# Altium PCB xialeste.PcbDoc (part 10 of 10)
Units mm, origin at the board's own origin, x right, y up, seen from the top; angles counter-clockwise.
Board outline 203.2 x 171.45 mm, 6 copper layers (L1, L2, L3, L4 (PWR), L5, L6), stack 1.542 mm thick; 748 components, 618 nets, 3334 pads, 1535 vias.
Unrouted connection lines stored in the file: 160.
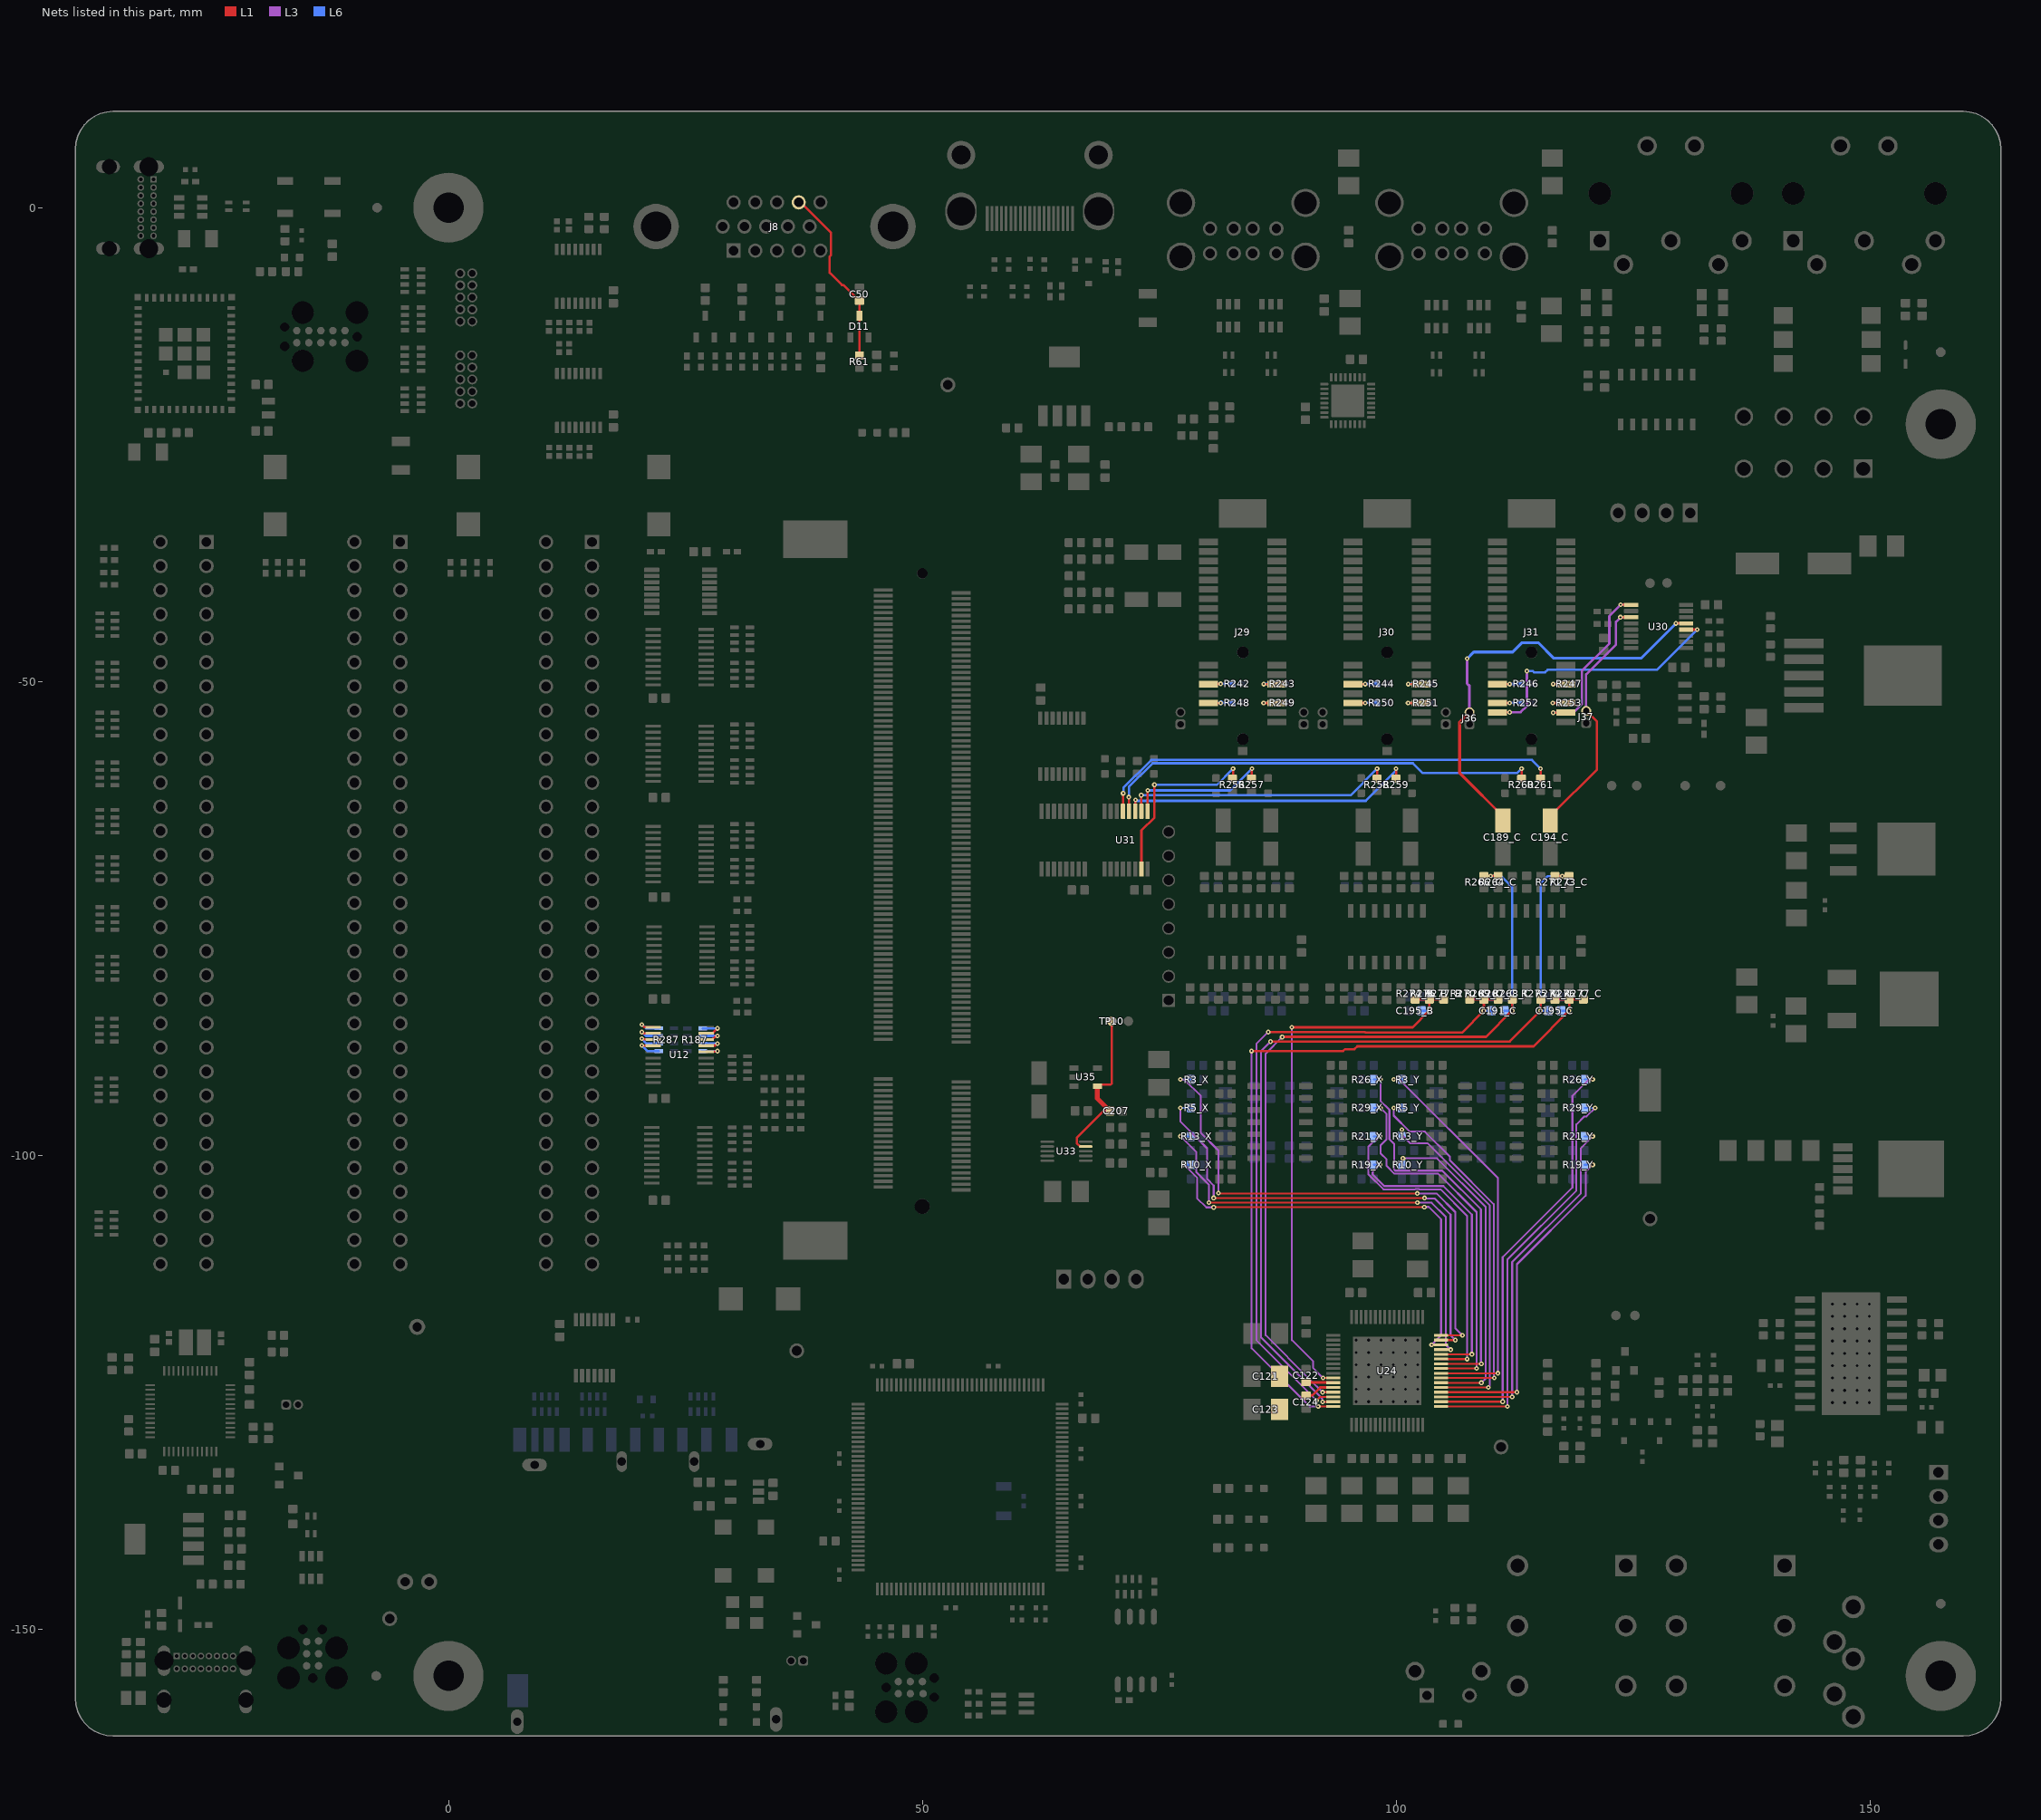
[diagram p14: the nets of this part, all layers, seen from the top]

## Via types
v1: diameter 0.5, hole 0.2, L1 to L6, tented both sides, 977 vias
v2: diameter 1, hole 0.5, L1 to L6, 416 vias
v3: diameter 0.6, hole 0.3, L1 to L6, 96 vias
v4: diameter 0.45, hole 0.25, L1 to L6, 26 vias
v5: diameter 0.5, hole 0.2, L1 to L6, 10 vias
v6: diameter 1, hole 0.5, L1 to L6, tented both sides, 10 vias

## Nets (pads, with @x,y where several pads share a name; then routed paths per layer and width w, separated by ;. In a path a pad name is that pad's centre, name@x,y a point inside that pad or via, vN(x,y) a via of type N, cw(c..) or ccw(c..) an arc to the next point about the centre after c; other vN are vias at no path point) (continued)
VIN4_P: C195_B.2 R274_B.2 R276_B.2 R277_B.2 U24.58 | length 59.7
  L1 w0.2: v1(92.3,-123.5) U24.58@93.36,-123.5
  L1 w0.25: v1(89,-86.5) 101.75,-86.5 v1(103.5,-84.75) 103.5,-83.589 R276_B.2@103.517,-83.572 ; R274_B.2@102.017,-83.572 R276_B.2@103.517,-83.572 ; R277_B.2@105.017,-83.572 R276_B.2@103.517,-83.572
  L3 w0.2: v1(89,-86.5) 89,-97.564 89.01,-97.574 89.01,-119.51 91.25,-121.75 91.25,-122.45 v1(92.3,-123.5)
  L6 w0.2: C195_B.2@102.675,-84.75 v1(103.5,-84.75)
VIN5: C189_C.2 J36.2 U30.13 | length 45.7
  L1 w0.3: J36.2@107.75,-53.25 106.7,-54.3 106.7,-59.655 111.6,-64.555 C189_C.2@111.6,-64.8 ; v1(129.525,-43.875) U30.13@130.6,-43.875
  L3 w0.3: v1(107.5,-47.6) 107.5,-50.233 107.75,-50.483 107.75,-53.15 J36.2@107.7,-53.2
  L6 w0.3: v1(107.5,-47.6) 108.2,-46.9 112.3,-46.9 113.295,-45.905 115.005,-45.905 116.65,-47.55 125.85,-47.55 v1(129.525,-43.875)
VIN5_N: C191_C.1 R264_C.2 R266_C.2 R268_C.1 U24.61 | length 86.6
  L1 w0.2: v1(92.251,-125.003) 92.252,-125.002 93.358,-125.002 U24.61@93.36,-125
  L1 w0.25: v5(87.975,-87.525) v5@88,-87.525 ; R266_C.2@109.267,-70.522 R264_C.2@110.767,-70.522 ; R268_C.1@112.267,-83.572 112.259,-83.58 112.259,-84.742 v1(112.25,-84.75) 109.5,-87.5 v5@88.025,-87.5 ; v5@88,-87.525 v5@88.025,-87.5 ; v5@88,-87.525 v5@88.025,-87.5
  L3 w0.2: v5(87.975,-87.525) 86.237,-89.263 86.237,-118.989 90.896,-123.649 v1(92.251,-125.003)
  L6 w0.25: v1(109.984,-70.529) 111.078,-70.529 112.25,-71.701 v1(112.25,-84.75) C191_C.1@111.425,-84.75
VIN5_P: C191_C.2 R267_C.2 R269_C.2 R270_C.2 U24.62 | length 72.8
  L1 w0.2: v1(91.61,-125.87) 91.983,-125.497 93.357,-125.497 U24.62@93.36,-125.5
  L1 w0.25: v1(86.5,-87) 96.734,-87 96.784,-87.05 106.95,-87.05 v1(109.25,-84.75) 109.259,-84.742 R269_C.2@109.259,-83.797 ; R270_C.2@107.767,-83.572 R269_C.2@109.267,-83.572 109.259,-83.58 R269_C.2@109.259,-83.797 ; R267_C.2@110.767,-83.572 109.483,-83.572 R269_C.2@109.259,-83.797
  L3 w0.2: v1(86.5,-87) 85.25,-88.25 85.25,-119.511 v1(91.61,-125.87)
  L6 w0.25: v1(109.25,-84.75) C191_C.2@110.075,-84.75
VIN6: C194_C.2 J37.2 U30.3 | length 25.9
  L1 w0.25: C194_C.2@116.5,-64.1 116.5,-63.989 121.2,-59.289 121.2,-54.255 J37.2@120.06,-53.115
  L1 w0.3: v1(123.675,-43.225) U30.3@124.8,-43.225
  L3 w0.25: J37.2@120.06,-53.115 120.06,-49.24 123.2,-46.1 123.2,-43.7 v1(123.675,-43.225)
VIN6_N: C195_C.1 R271_C.2 R273_C.2 R275_C.1 U24.63 | length 91.7
  L1 w0.2: v1(92.251,-126.014) 92.258,-126.007 93.353,-126.007 U24.63@93.36,-126
  L1 w0.25: v1(86.75,-88) 87.778,-88 112,-88 v1(115.25,-84.75) ; v1@115.258,-84.742 115.258,-83.58 R275_C.1@115.267,-83.572 ; R271_C.2@116.767,-70.522 116.78,-70.535 117.513,-70.535 v1(117.526,-70.548) 117.539,-70.535 118.254,-70.535 R273_C.2@118.267,-70.522
  L3 w0.2: v1(86.75,-88) 85.75,-89 85.75,-119.226 92.218,-125.694 92.218,-125.981 v1(92.251,-126.014)
  L6 w0.25: v1@115.258,-84.742 v1(115.25,-84.75) ; C195_C.1@116.075,-84.75 v1(115.25,-84.75) ; v1(117.526,-70.548) 115.99,-70.548 115.25,-71.289 v1(115.25,-84.75)
VIN6_P: C195_C.2 R274_C.2 R276_C.2 R277_C.2 U24.64 | length 82.8
  L1 w0.2: v1(91.784,-126.504) 91.786,-126.502 93.358,-126.502 U24.64@93.36,-126.5
  L1 w0.25: v1(84.75,-89) 94.422,-89 94.622,-88.8 95.605,-88.8 95.905,-88.5 114.5,-88.5 v1(118.25,-84.75) ; R274_C.2@116.767,-83.572 R276_C.2@118.267,-83.572 ; v1@118.258,-84.742 118.258,-83.58 R276_C.2@118.267,-83.572 ; R277_C.2@119.767,-83.572 R276_C.2@118.267,-83.572
  L3 w0.2: v1(84.75,-89) 84.75,-120.363 90.887,-126.5 91.78,-126.5 v1(91.784,-126.504)
  L6 w0.25: C195_C.2@117.425,-84.75 v1(118.25,-84.75) v1@118.258,-84.742
VO5_MUX: J31.B17 U30.12 | length 28.2
  L1 w0.25: J31.B17@110.7,-53.28 110.715,-53.265 111.985,-53.265 v1(112,-53.25) ; U30.12@130.6,-44.525 v1(131.775,-44.525)
  L3 w0.25: v1(112,-53.25) 113.15,-53.25 113.8,-52.6 v1(113.8,-48.9)
  L6 w0.25: v1(113.8,-48.9) 113.819,-48.919 114.425,-48.919 114.55,-49.044 115.732,-49.044 116.001,-48.775 127.525,-48.775 131.71,-44.59 v1@131.79,-44.59
VO6_MUX: J31.A17 U30.1 | length 18
  L1 w0.25: v1(116.575,-53.303) 116.586,-53.291 117.889,-53.291 J31.A17@117.9,-53.28
  L1 w0.3: v1(123.7,-41.9) 123.712,-41.912 124.788,-41.912 U30.1@124.8,-41.925
  L3 w0.25: v1(116.575,-53.303) 118.697,-53.303 119.6,-52.4 119.6,-48.9 122.5,-46 122.5,-43.1 v1(123.7,-41.9)
VO_L1: J29.B14 R242.1 | length 2.5
  L1 w0.25: J29.B14@80.22,-50.28 80.235,-50.265 81.485,-50.265 v1(81.5,-50.25)
  L6 w0.25: v1(81.5,-50.25) R242.1@82.675,-50.25
VO_L2: J29.A14 R243.1 | length 2.8
  L1 w0.25: v1(86.03,-50.28) J29.A14@87.42,-50.28
  L6 w0.25: v1(86.03,-50.28) 86.045,-50.265 87.41,-50.265 R243.1@87.425,-50.25
VO_L3: J30.B14 R244.1 | length 2.5
  L1 w0.25: J30.B14@95.46,-50.28 v1(96.75,-50.28)
  L6 w0.25: v1(96.75,-50.28) 96.765,-50.265 97.91,-50.265 R244.1@97.925,-50.25
VO_L4: J30.A14 R245.1 | length 2.7
  L1 w0.25: v1(101.28,-50.28) J30.A14@102.66,-50.28
  L6 w0.25: v1(101.28,-50.28) 101.295,-50.265 102.585,-50.265 R245.1@102.6,-50.25
VO_L5: J31.B14 R246.1 | length 2.5
  L1 w0.25: J31.B14@110.7,-50.28 v1(112,-50.28)
  L6 w0.25: v1(112,-50.28) 112.015,-50.265 113.16,-50.265 R246.1@113.175,-50.25
VO_L6: J31.A14 R247.1 | length 2.5
  L1 w0.25: v1(116.575,-50.28) J31.A14@117.9,-50.28
  L6 w0.25: v1@116.515,-50.265 117.66,-50.265 R247.1@117.675,-50.25
VO_R1: J29.B16 R248.1 | length 2.5
  L1 w0.25: J29.B16@80.22,-52.28 v1(81.5,-52.28)
  L6 w0.25: v1@81.53,-52.25 R248.1@82.675,-52.25
  L6 w0.5: v1(81.5,-52.28) v1@81.53,-52.25
VO_R2: J29.A16 R249.1 | length 2.8
  L1 w0.25: v1(86.015,-52.265) 86.023,-52.273 87.412,-52.273 J29.A16@87.42,-52.28
  L6 w0.25: v1(86.015,-52.265) 86.023,-52.258 87.418,-52.258 R249.1@87.425,-52.25
VO_R3: J30.B16 R250.1 | length 2.5
  L1 w0.25: J30.B16@95.46,-52.28 95.468,-52.273 96.727,-52.273 v1(96.735,-52.265)
  L6 w0.25: v1(96.735,-52.265) 96.743,-52.258 97.918,-52.258 R250.1@97.925,-52.25
VO_R4: J30.A16 R251.1 | length 2.5
  L1 w0.25: v1(101.265,-52.265) 101.273,-52.273 102.652,-52.273 J30.A16@102.66,-52.28
  L6 w0.25: v1@101.5,-52.25 R251.1@102.6,-52.25
VO_R5: J31.B16 R252.1 | length 2.5
  L1 w0.25: J31.B16@110.7,-52.28 110.708,-52.273 111.978,-52.273 v1(111.985,-52.265)
  L6 w0.25: v1(111.985,-52.265) 111.993,-52.258 113.167,-52.258 R252.1@113.175,-52.25
VO_R6: J31.A16 R253.1 | length 2.5
  L1 w0.25: v1(116.522,-52.273) 116.526,-52.276 117.896,-52.276 J31.A16@117.9,-52.28
  L6 w0.25: v1(116.522,-52.273) 116.534,-52.261 117.664,-52.261 R253.1@117.675,-52.25
VON1: R256.1 U31.15 | length 19.2
  L1 w0.25: U31.15@73.125,-69.8 73.125,-65.727 74.5,-64.352 v1(74.5,-60.9) ; R256.1@82.75,-60.255 82.8,-60.205 82.8,-59.5
  L6 w0.25: v1(74.5,-60.9) 81.1,-60.9 v1@82.759,-59.241
  other v1: 82.8,-59.2
VON2: R257.1 U31.1 | length 15.3
  L1 w0.25: U31.1@73.775,-63.7 73.788,-63.688 73.788,-61.512 v1(73.8,-61.5) ; R257.1@84.75,-60.255 84.775,-60.23 84.775,-59.225 v1(84.8,-59.2)
  L6 w0.25: v1(73.8,-61.5) 82.5,-61.5 v1@84.849,-59.151
VON3: R258.1 U31.2 | length 28.7
  L1 w0.25: v1(73.1,-62) 73.112,-62.012 73.112,-63.688 U31.2@73.125,-63.7 ; R258.1@98,-60.255 v1@98,-59.281
  L6 w0.25: v1(73.1,-62) 95.2,-62 v1(98,-59.2)
VON4: R259.1 U31.3 | length 30.9
  L1 w0.25: U31.3@72.475,-63.7 72.487,-63.687 72.487,-62.513 v1(72.5,-62.5) ; R259.1@100,-60.255 v1@100,-59.4
  L6 w0.25: v1(72.5,-62.5) 72.554,-62.5 72.654,-62.6 96.8,-62.6 v1@100,-59.4
  other v1: 100,-59.2
VON5: R260.1 U31.4 | length 47.2
  L1 w0.25: v1(71.8,-62.2) 71.813,-62.212 71.813,-63.687 U31.4@71.825,-63.7 ; v1@113.2,-59.2 113.25,-59.25 R260.1@113.25,-60.255 R260.1@113.25,-59.925
  L6 w0.25: v1(71.8,-62.2) 71.8,-61.128 74.303,-58.625 101.772,-58.625 102.822,-59.675 112.775,-59.675 v1(113.25,-59.2) v1@113.3,-59.2
VON6: R261.1 U31.5 | length 49
  L1 w0.25: U31.5@71.175,-63.7 71.188,-63.688 71.188,-61.812 v1(71.2,-61.8) ; R261.1@115.25,-60.255 v1@115.25,-59.45
  L6 w0.25: v1(71.2,-61.8) 71.233,-61.767 71.233,-61.2 74.158,-58.275 114.325,-58.275 v1(115.25,-59.2) v1@115.3,-59.2
VOUT1_N: R3_X.1 U24.32 | length 56.4
  L1 w0.2: v1(81.25,-104) 81.275,-104.025 v1(102.225,-104.025) ; U24.32@104.76,-119 v1(107,-119)
  L3 w0.2: v1(77.25,-92) 77.298,-92.048 77.698,-92.048 79.396,-93.746 79.396,-97.646 81.25,-99.5 v1(81.25,-104) ; v1(102.225,-104.025) 102.25,-104.05 104.3,-104.05 106.25,-106 106.25,-118.25 v1(107,-119)
  L6 w0.2: v1(77.25,-92) R3_X.1@78.35,-92
VOUT1_P: R5_X.1 U24.31 | length 52.7
  L1 w0.2: v1(80.75,-104.5) v1(103,-104.5) ; U24.31@104.76,-119.5 v1(106.25,-119.5)
  L3 w0.2: v1(77.25,-95) 77.25,-96.45 80.06,-99.26 80.06,-102.496 80.75,-103.186 v1(80.75,-104.5) ; v1(103,-104.5) 103.048,-104.548 104.048,-104.548 105.75,-106.25 105.75,-119 v1(106.25,-119.5)
  L6 w0.2: v1(77.25,-95) R5_X.1@78.35,-95
VOUT2_N: R10_X.1 U24.30 | length 46.2
  L1 w0.2: v1(80.75,-105.5) 80.775,-105.475 v1(102.975,-105.475) ; v1(103.75,-120) U24.30@104.76,-120
  L3 w0.2: v1(77.65,-101) 79,-102.35 79,-104.526 79.974,-105.5 v1(80.75,-105.5) ; v1(102.975,-105.475) 103,-105.45 103.45,-105.45 104.75,-106.75 104.75,-119 v1(103.75,-120)
  L6 w0.2: v1(77.65,-101) R10_X.1@78.35,-101
VOUT2_P: R13_X.1 U24.29 | length 50.2
  L1 w0.2: v1(80.25,-105) v1(102.25,-105) ; U24.29@104.76,-120.5 104.767,-120.507 105.753,-120.507 v1(105.76,-120.514)
  L3 w0.2: v1(77.25,-98) 78.926,-99.676 78.926,-101.787 80.25,-103.111 v1(80.25,-105) ; v1(102.25,-105) 103.75,-105 105.25,-106.5 105.25,-120.004 v1(105.76,-120.514)
  L6 w0.2: v1(77.25,-98) R13_X.1@78.35,-98
VOUT3_N: R19_X.1 U24.28 | length 32.2
  L1 w0.2: U24.28@104.76,-121 107.95,-121 107.998,-120.952 v1(107.998,-120.991)
  L3 w0.2: v1(98.3,-101) 97.526,-101.774 97.526,-102.026 98.75,-103.25 105,-103.25 107.998,-106.248 v1@107.998,-120.952
  L6 w0.2: R19_X.1@97.65,-101 v1(98.3,-101)
VOUT3_P: R21_X.1 U24.27 | length 35.4
  L1 w0.2: U24.27@104.76,-121.5 104.767,-121.507 107.486,-121.507 107.493,-121.514 107.5,-121.507 v1(107.5,-121.5)
  L3 w0.2: v1(98.3,-98) 97.726,-98.574 97.603,-98.574 97.076,-99.101 97.076,-102.001 98.676,-103.6 102.014,-103.6 102.039,-103.575 102.411,-103.575 102.436,-103.6 104.7,-103.6 107.5,-106.4 v1(107.5,-121.5)
  L6 w0.2: R21_X.1@97.65,-98 v1(98.3,-98)
VOUT4_N: R26_X.1 U24.26 | length 42.2
  L1 w0.2: U24.26@104.76,-122 108.949,-122.001 108.952,-122 v1(109,-122)
  L3 w0.2: v1(98.35,-92) 98.35,-94.25 99.3,-95.2 99.3,-98.3 99.8,-98.8 99.8,-101.504 99.917,-101.621 104.871,-101.621 108.952,-105.702 v1@108.952,-122
  L6 w0.2: R26_X.1@97.65,-92 v1(98.35,-92)
VOUT4_P: R29_X.1 U24.25 | length 39.4
  L1 w0.2: U24.25@104.76,-122.5 v1(108.5,-122.5)
  L3 w0.2: v1(98.35,-95) 99,-95.65 99,-98.3 98.36,-98.94 98.36,-99.79 99,-100.43 99,-101.128 99.793,-101.921 104.421,-101.921 108.5,-106 v1(108.5,-122.5)
  L6 w0.2: R29_X.1@97.65,-95 v1(98.35,-95)
VOUT5_N: R3_Y.1 U24.24 | length 42.7
  L1 w0.2: U24.24@104.76,-123 v1(110.75,-123)
  L3 w0.2: v1(99.75,-92) 100.349,-92 110.75,-102.401 v1(110.75,-123)
  L6 w0.2: v1(99.75,-92) R3_Y.1@100.6,-92
VOUT5_P: R5_Y.1 U24.23 | length 40.3
  L1 w0.2: U24.23@104.76,-123.5 v1(110.35,-123.5)
  L3 w0.2: v1(99.75,-95) 99.75,-95.814 101.436,-97.5 103.028,-97.5 105.675,-100.147 105.675,-100.536 110.3,-105.161 110.3,-123.45 v1(110.35,-123.5)
  L6 w0.2: v1(99.75,-95) R5_Y.1@100.6,-95
VOUT6_N: R10_Y.1 U24.22 | length 34.6
  L1 w0.2: U24.22@104.76,-124 v1(109,-124)
  L3 w0.2: v1(100.725,-100.325) 104.325,-100.325 109.45,-105.45 109.45,-123.55 v1(109,-124)
  L6 w0.2: R10_Y.1@100.6,-101 100.725,-100.875 v1(100.725,-100.325)
VOUT6_P: R13_Y.1 U24.21 | length 37.9
  L1 w0.2: U24.21@104.76,-124.5 v1(109.75,-124.5)
  L3 w0.2: v1(100.6,-97.3) 100.6,-97.825 101.525,-98.75 103.345,-98.75 109.9,-105.305 109.9,-124.269 109.75,-124.419 v1(109.75,-124.5)
  L6 w0.2: R13_Y.1@100.6,-98 v1(100.6,-97.3)
VOUT7_N: R19_Y.1 U24.20 | length 36.2
  L1 w0.2: U24.20@104.76,-125 v1(112.75,-125)
  L3 w0.2: v1(112.75,-125) 112.75,-111.5 120,-104.25 120,-101.75 v1(120.75,-101)
  L6 w0.2: R19_Y.1@119.9,-101 v1(120.75,-101)
VOUT7_P: R21_Y.1 U24.19 | length 39.4
  L1 w0.2: U24.19@104.76,-125.5 v1(112.25,-125.5)
  L3 w0.2: v1(112.25,-125.5) 112.25,-111.25 119.499,-104.001 119.499,-99.251 v1(120.75,-98)
  L6 w0.2: R21_Y.1@119.9,-98 v1(120.75,-98)
VOUT8_N: R26_Y.1 U24.18 | length 45.5
  L1 w0.2: U24.18@104.76,-126 v1(111.25,-126)
  L3 w0.2: v1(111.25,-126) 111.25,-110.75 118.604,-103.396 118.604,-93.721 120.325,-92 v1(120.75,-92)
  L6 w0.2: R26_Y.1@119.9,-92 v1(120.75,-92)
VOUT8_P: R29_Y.1 U24.17 | length 43.6
  L1 w0.2: U24.17@104.76,-126.5 v1(111.75,-126.5)
  L3 w0.2: v1(111.75,-126.5) 111.75,-111 119.025,-103.725 119.025,-96.75 119.871,-95.904 120.096,-95.904 v1(121,-95)
  L6 w0.2: R29_Y.1@119.9,-95 v1(121,-95)
VREF: C207.2 TP10.1 U33.9 U35.4 | length 17.7
  L1 w0.25: U33.9@67.252,-99.072 66.652,-99.072 66.302,-98.722 66.302,-98.147 69.123,-95.326 69.798,-95.326 C207.2@69.802,-95.322 ; U35.4@68.65,-92.7 68.796,-92.554 69.854,-92.554 70,-92.407 TP10.1@70,-85.851
  L1 w0.5: U35.4@68.65,-92.7 U35.4@68.475,-92.7 68.475,-93.995 69.552,-95.072 69.602,-95.072 69.802,-95.272 C207.2@69.802,-95.322
VREFAD1: C121.1 C122.1 U24.59 | length 2.9
  L1 w0.25: C122.1@90.5,-123.925 90.55,-123.975 93.335,-123.975 U24.59@93.36,-124
VREFAD2: C123.1 C124.1 U24.60 | length 3.2
  L1 w0.25: C124.1@90.5,-125.386 90.561,-125.325 91.175,-125.325 92,-124.5 U24.60@93.36,-124.5
VSYNC_CON: C50.2 D11.3 J8.14 R61.1 | length 19.2
  L1 w0.25: J8.14@36.96,0.55 37.167,0.55 40.379,-2.662 40.379,-4.998 40.225,-5.152 40.225,-6.875 41.525,-8.175 41.7,-8.175 43.325,-9.8 C50.2@43.375,-9.8 D11.3@43.375,-11.4 R61.1@43.375,-15.6
Z0: R187.4 U12.6 | length 2.8
  L1 w0.25: U12.6@27.2,-89.081 27.225,-89.056 28.299,-89.056 28.346,-89.009 v1(28.4,-89.009)
  L6 w0.25: R187.4@26.825,-89.009 v1(28.4,-89.009)
Z1: R187.3 U12.7 | length 2.9
  L1 w0.25: U12.7@27.2,-88.431 27.225,-88.406 28.149,-88.406 28.346,-88.209 v1(28.4,-88.209)
  L6 w0.25: R187.3@26.825,-88.209 v1(28.4,-88.209)
Z2: R187.2 U12.8 | length 2.9
  L1 w0.25: U12.8@27.2,-87.781 27.225,-87.756 27.875,-87.756 28.184,-87.448 28.362,-87.448 v1(28.4,-87.409)
  L6 w0.25: R187.2@26.825,-87.409 v1(28.4,-87.409)
Z3: R187.1 U12.9 | length 3
  L1 w0.25: U12.9@27.2,-87.131 27.225,-87.106 27.875,-87.106 27.948,-87.034 27.976,-87.034 v1(28.4,-86.609)
  L6 w0.25: R187.1@26.825,-86.609 v1(28.4,-86.609)
Z4: R287.4 U12.11 | length 3.3
  L1 w0.25: v1(20.4,-86.2) 20.656,-86.456 21.575,-86.456 U12.11@21.6,-86.481
  L6 w0.25: v1(20.4,-86.2) 20.449,-86.2 20.849,-86.6 R287.4@22.2,-86.6
Z5: R287.3 U12.12 | length 3.2
  L1 w0.25: v1(20.4,-87) 20.454,-87 20.585,-87.131 20.675,-87.131 U12.12@21.6,-87.131
  L6 w0.25: v1(20.4,-87) 20.449,-87 20.849,-87.4 R287.3@22.2,-87.4
Z6: R287.2 U12.13 | length 3.2
  L1 w0.25: v1(20.4,-87.7) 20.454,-87.7 20.51,-87.756 21.575,-87.756 U12.13@21.6,-87.781
  L6 w0.25: v1(20.4,-87.7) 20.9,-88.2 R287.2@22.2,-88.2
Z7: R287.1 U12.14 | length 3.3
  L1 w0.25: v1(20.4,-88.4) 20.416,-88.416 21.584,-88.416 U12.14@21.6,-88.431
  L6 w0.25: v1(20.4,-88.4) 21,-89 R287.1@22.2,-89
pads on no net: FID1.1 FID2.1 FID3.1 FID4.1 FID5.1 FID6.1 FID7.1 FID8.1 J5.13 J8.4 J8.9 J8.11 J8.12 J8.15 J9. J9.13 J9.14 J9.15 J9.16 J9.17 J9.18 J9.19 J9.20 J9.21 J9.22 J9.23 J9.24 J9.25 J9.26 J9.27 J9.28 J9.29 J9.30 J9.31 J9.32 J9.33 J9.34 J9.35 J9.36 J9.37 J9.38 J9.43 J9.45 J9.47 J9.53 J9.159 J9.160 J9.161 J9.162 J9.163 J9.164 J9.165 J9.166 J9.167 J9.168 J9.169 J9.170 J9.171 J9.172 J9.173 J9.174 J9.175 J9.176 J9.177 J9.178 J9.179 J9.180 J9.181 J9.182 J9.183 J9.184 J9.185 J9.186 J9.187 J9.188 J9.189 J9.190 J9.191 J9.192 J9.193 J9.194 J9.195 J9.196 J9.197 J9.198 J10. J11. J11.1 J11.3 J15.4 J15.5 J16.RN J16.SN J16.TN J17.RN J17.SN J17.TN J19.10 J20.10 J21.0 J22.A8 J22.B8 J24.0 J24.6 J26.A8 J26.B8 J27.0 J27.4 J27.8 J27.9 J29. J29.A12 J30. J30.A12 J31. J31.A12 R183.4 R185.4 U2.3 U7.5 U7.9 U7.13 U7.17 U7.21 U7.29 U7.32 U8.6 U8.8 U9.3 U11.21@148,-120.95 U18.4 U18.12 U19.14 U20.14 U21.4 U21.11 U21.14 U21.15 U21.16 U21.17 U21.19 U21.21 U21.22 U21.28 U21.29 U21.39 U21.40 U21.41 U21.42 U21.43 U21.45 U21.46 U24.5 U24.10 U24.13 U24.39 U24.40 U25.4 U25.6 U25.7 U25.9 U25.10 U25.15 U25.17 U25.24 U25.25 U25.28 U25.29 U25.32 U25.33 U25.34 U25.35 U26.24 U26.26 U26.36 U26.37 U26.40 U26.44 U26.50 U26.53 U26.54 U26.70 U26.87 U26.88 U26.89 U26.92 U26.93 U26.95 U26.102 U26.113 U26.122 U26.123 U26.124 U26.125 U26.128 U26.129 U26.135 U26.139 U26.143 U35.1 U35.5 U36.6 U36.7 U36.9 U37.7 U37.9

## Polygon pours and split planes (outlines as drawn)
AGND on L1 "NONET_L01_P-001" (solid, pour order 183): 125,-99.3 133.1,-99.3 133.1,-109.2 125,-109.2
-12V on L1 "L1--12V" (solid, pour order 182): 134.916,-33.225 136.233,-34.684 146.266,-34.684 146.266,-58.364 162.91,-58.364 162.91,-40.364 150.516,-40.364 150.516,-30.784 138.616,-30.784 138.616,-19.684 134.916,-19.684
+5V_JOYSTICKS on L1 "NONET_L01_P-001" (solid, pour order 177): -3.9,-22.7 -3.7,-22.9 -3.7,-24.7 -3.9,-24.9 -6.2,-24.9 -6.4,-24.7 -6.4,-22.9 -6.2,-22.7
+5V on L1 "+5V_L01_P062" (solid, pour order 62): 31.373,-117.862 28.094,-117.862 28.094,-112.362 31.373,-112.362
GND on L1 "GND_L01_P061" (solid, pour order 61): 37.512,-117.837 34.412,-117.837 34.412,-112.337 37.512,-112.337
AGND on L1 "AGND_L01_P019" (solid, pour order 19): 113.236,-56.7 116.8,-56.7 116.8,-57.9 113.236,-57.9
GND on L1 "NONET_L01_P-001" (solid, pour order 101): 58.7,-29.3 69.7,-29.3 69.7,-30.6 68.7,-31.6 65.4,-31.6 62.4,-34.5 58.7,-34.5
AGND on L1 "AGND_L01_P091" (solid, pour order 91): 141.177,-74.222 141.182,-74.217 146.005,-74.217 148.281,-76.492 152.395,-76.492 152.395,-79.149 141.138,-79.149
-5VA on L1 "-5VA_L01_P090" (solid, pour order 90): 146.998,-69.496 145.587,-69.496 144.083,-71 135.688,-71 135.688,-76.692 139.092,-76.692 139.092,-72.991 145.687,-73.041 146.998,-71.729
-11VA on L1 "-11VA_L01_P089" (solid, pour order 89): 141.25,-68 143.206,-68 144,-67.206 146.5,-67.206 146.5,-68.175 145.25,-68.175 143.675,-69.75 141.25,-69.75
AGND on L1 "AGND_L01_P088" (solid, pour order 88): 135.75,-64.5 146,-64.5 146,-65 148,-65 148,-65.75 146,-65.75 146,-66.25 139,-66.25 139,-69.5 135.75,-69.5
+12V on L1 "L1-+12V" (solid, pour order 78): 132.912,-94.3 133.25,-94.3 142.9,-94.3 142.9,-99.25 145.6,-99.25 145.6,-90.8 133.25,-90.8 133.25,-82.015 146.744,-82.015 146.744,-80.415 130.4,-80.527 130.4,-90.8 128.8,-90.8 128.8,-80.1 124.9,-80.1 124.9,-94.3 125.7,-94.3
-11VA on L1 "L1--11VA" (solid, pour order 76): 150.35,-75.69 162.894,-75.69 162.894,-59.69 144.4,-59.69 144.4,-52.4 141.7,-52.4 141.7,-55.9 135.8,-55.9 135.8,-64.2 150.35,-64.2
AGND on L1 "AGND_L01_P073" (solid, pour order 73): 135.8,-36.5 140.2,-36.5 140.2,-42.815 138.687,-42.783 138.687,-48.9 140.2,-48.9 140.2,-50.7 144.1,-50.7 144.1,-51.6 140.2,-51.6 140.2,-54.3 135.8,-54.3
AGND on L1 "AGND_L01_P060" (solid, pour order 60): 135.9,-83.2 151.14,-83.2 151.14,-84.5 144.8,-84.5 144.1,-85.2 140.1,-85.2 139.5,-85.2 135.9,-85.2
+5VA on L1 "+5VA_L01_P026" (solid, pour order 26): 143.92,-86.3 145.235,-84.985 147.377,-84.985 147.377,-86.148 143.544,-90.175 133.961,-90.175 133.961,-86.3
+11VA on L1 "+11VA_L01_P046" (solid, pour order 46): 147.554,-101.25 147.554,-103.005 137.5,-103.005 137.5,-114 133.75,-114 133.75,-98.385 135.94,-98.385 135.94,-101.25
+3V3 on L1 "+3V3_L01_P059" (solid, pour order 59): 65.3,-21.75 66.2,-21.75 66.2,-23.5 67.2,-24.5 71.1,-24.5 73.4,-26.8 79.3,-26.8 79.3,-29.5 72.4,-29.5 69.7,-26.8 65.3,-26.8
+5V_USB_HUB on L1 "+5V_USB_HUB_L01_P056" (solid, pour order 56): 72.85,-3 74.75,-3 74.75,-9 72.85,-9
+5V_STLINK on L1 "+5V_STLINK_L01_P054" (solid, pour order 54): -26.9,-140.75 -25.85,-140.75 -23.46,-140.767 -23.202,-141.025 -23.202,-147.3 -28.518,-147.3 -28.518,-146.193 -24.309,-146.193 -24.309,-141.959 -24.518,-141.75 -26.9,-141.75
U5V on L1 "U5V_L01_P053" (solid, pour order 53): -27.47,-151.637 -27.47,-149.554 -27.7,-149.324 -28.625,-149.324 -29.876,-149.324 -29.876,-149.993 -28.197,-149.999 -28.197,-151.637
GND on L1 "GND_L01_P050" (solid, pour order 50): 94.769,-106.75 98.255,-106.75 98.255,-108.935 94.769,-108.935
AGND on L1 "AGND_L01_P051" (solid, pour order 51): 100.519,-106.75 104.005,-106.75 104.005,-108.975 100.519,-108.975
+3V3_STLINK on L1 "L1-+3V3_STLINK" (solid, pour order 34): -26.132,-139.267 -26.123,-139.258 -25.482,-139.258 -25.5,-135.9 -23.9,-135.9 -23.9,-140.5 -25.482,-140.5 -25.815,-140.245 -26.351,-140.245
GND on L1 "GND_L01_P033" (solid, pour order 33): -36,-134.5 -37,-135.5 -37,-145.5 -36,-146.5 -29.5,-146.5 -28.5,-145.5 -28.5,-135.5 -29.5,-134.5
GND on L1 "GND_L01_P032" (solid, pour order 32): 97.329,-137.815 100.815,-137.815 100.815,-140.795 97.329,-140.795
AGND on L1 "AGND_L01_P031" (solid, pour order 31): 101.724,-138.086 107.565,-138.086 107.565,-140.804 101.724,-140.804
+5V on L1 "L1-+5V" (solid, pour order 30): 52.8,-23.3 52.4,-23.7 52.4,-26.8 52.85,-27.25 62.75,-27.25 62.75,-26.8 64.75,-26.8 64.75,-21 63.75,-21 63.75,-23.3
GND on L1 "GND" (solid, pour order 27): 57.5,-20.5 58,-21 61.048,-21 61.048,-20 69,-20 69,-21 72,-21 72.5,-20.5 72.5,-12.5 72,-12 58,-12 57.5,-12.5
AGND on L1 "AGND_L01_P004" (solid, pour order 4): 84.637,-117.711 82.08,-117.711 81.637,-118.311 81.637,-127.311 82.217,-127.892 84.677,-127.892 84.677,-125.811 83.637,-125.811 83.637,-124.311 84.677,-124.311 84.677,-122.351 83.637,-122.351 83.637,-119.811 84.637,-119.811
AGND on L1 "AGND_L01_P005" (solid, pour order 5): 90.565,-137.836 96.315,-137.836 96.315,-140.816 90.565,-140.816
VREFAD2 on L1 "VREFAD2_L01_P008" (solid, pour order 8): 86.887,-127.311 88.137,-127.311 89.637,-125.811 90.387,-125.811 90.387,-124.936 89.012,-124.936 88.252,-125.696 86.887,-125.696
+5VA on L1 "+5VA_L01_P011" (solid, remove dead copper, pour order 11): 90.387,-119.225 86.887,-119.225 86.887,-117.846 86.488,-117.447 86.488,-116.262 86.689,-116.061 88.637,-116.061 88.887,-116.311 88.887,-117.811 89.401,-118.325 90.387,-118.325
VREFAD1 on L1 "VREFAD1_L01_P012" (solid, pour order 12): 87.137,-122.459 87.137,-123.061 87.137,-124.375 90.44,-124.375 90.44,-123.475 89.051,-123.475 88.035,-122.459
GND on L1 "GND_L01_P014" (solid, pour order 14): 4.48,-28.65 4.98,-28.15 4.98,-26.45 4.48,-25.95 -0.32,-25.95 -0.72,-26.35 -0.72,-28.25 -0.32,-28.65
GND on L1 "GND_L01_P015" (solid, pour order 15): 24.58,-28.65 25.08,-28.15 25.08,-26.45 24.58,-25.95 19.78,-25.95 19.38,-26.35 19.38,-28.25 19.78,-28.65
AGND on L1 "AGND_L01_P016" (solid, pour order 16): 82.756,-56.7 85.7,-56.7 85.7,-58 82.756,-58
AGND on L1 "AGND_L01_P018" (solid, pour order 18): 97.996,-56.7 101.4,-56.7 101.4,-57.9 97.996,-57.9
+12V on L1 "+12V_L01_P020" (solid, pour order 20): 145.335,-100.725 147.163,-100.725 147.163,-98.754 145.835,-98.754 145.8,-98.719 145.8,-97.945 143.8,-97.945 143.8,-100.725
AGND on L1 "AGND_L01_P024" (solid, pour order 24): 150.25,-91.44 150.25,-111.44 162.907,-111.44 162.907,-91.44
AGND on L1 "AGND_L01_P025" (solid, pour order 25): 150.35,-76.5 150.35,-90.5 162.894,-90.5 162.894,-76.5
GND on L1 "GND_L01_P013" (solid, pour order 13): -15.9,-28.65 -15.4,-28.15 -15.4,-26.45 -15.9,-25.95 -20.7,-25.95 -21.1,-26.35 -21.1,-28.25 -20.7,-28.65
+5V on L4 (PWR) "L4 (PWR)-+5V" (solid, pour order 87): 58.5,-27.3 59.5,-26.3 83.8,-26.3 87.4,-29.9 147.2,-29.9 147.2,-19.7 143.3,-19.7 143.3,-25.4 89.5,-25.4 87.4,-23.3 55.5,-23.3 22.2,-23.3 12.1,-33.4 -2.6,-33.4 -2.6,-26.1 -7.52,-26.1 -7.52,-33.4 -32.3,-33.4 -32.3,-36.6 18.3,-36.6 18.3,-33.8 24.8,-27.3
+5V on L4 (PWR) "+5V_L04_P048" (solid, pour order 48): 47.5,-99.7 48.417,-100.617 48.417,-104.217 41.834,-110.8 35.163,-110.8 32.54,-113.199 32.54,-117.9 27.589,-117.9 27.589,-111.982 33.436,-106.403 39.503,-106.403 46.207,-99.7
+3V3 on L4 (PWR) "L4 (PWR)-+3V3" (solid, pour order 176): -8.31,-161.273 110.108,-161.273 110.108,-133.894 80.976,-133.894 80.976,-113.282 99.059,-113.282 98.974,-113.197 98.974,-110.668 78.155,-110.668 72.54,-116.283 68.69,-116.283 68.69,-116.233 58.54,-116.233 58.54,-74.264 75.04,-74.264 75.04,-54.283 63.7,-54.283 63.7,-34.2 163.77,-34.2 163.77,10.177 -39.41,10.177 -39.41,-116.283 -8.31,-116.283
-11VA on L4 (PWR) "NONET_L01_P-001" (solid, pour order 163): 135.9,-61.8 129.9,-61.8 118.7,-73 118.7,-76.6 122.1,-76.6 134.7,-64 136,-64
-11VA on L4 (PWR) "L4 (PWR)--11VA" (solid, pour order 162): 83.4,-76.6 90.6,-76.6 90.6,-98 93.8,-98 93.9,-98.1 93.9,-76.6 120.6,-76.6 120.6,-83.9 113.1,-91.4 113.1,-97.5 115.7,-97.5 115.685,-97.485 115.685,-91.415 122.2,-84.9 122.2,-73.8 114.564,-73.8 114.564,-71.784 112.964,-71.784 112.964,-73.8 99.864,-73.8 99.864,-71.984 98.264,-71.984 98.264,-73.8 85,-73.8 85,-72.1 83.4,-72.1
+11VA on L4 (PWR) "L4 (PWR)-+11VA" (solid, pour order 155): 63.1,-95.9 63.4,-96.2 68.9,-96.2 68.9,-102.7 75.5,-109.3 117.6,-109.3 122.2,-113.9 134.2,-113.9 134.2,-109.6 126.9,-109.6 124.2,-106.9 107.3,-106.9 107.3,-95.5 105.5,-93.7 105.5,-88.3 107.3,-86.5 107.3,-79 113.1,-79 113.1,-81.7 114.6,-81.7 114.6,-77.5 98.1,-77.5 98.1,-81.7 100,-81.7 100,-79 105.7,-79 105.7,-85.7 104,-87.4 104,-96 105.7,-97.7 105.7,-106.9 84.9,-106.9 84.9,-90.2 82.2,-87.5 82.2,-84.7 85.2,-81.7 85.2,-80.4 83.386,-80.4 83.386,-81.514 80.5,-84.4 80.5,-88.9 82.2,-90.6 82.2,-106.8 79.2,-106.8 74.8,-102.4 74.8,-92.2 74.2,-91.6 66.5,-91.6 63.1,-95
-11VA on L4 (PWR) "L4 (PWR)--11VA 1" (solid, pour order 149): 135.7,-64.1 142.3,-64.1 142.3,-39.4 142.3,-38.8 81.2,-38.8 81.2,-39.8 140.3,-39.8 140.3,-58.9 135.7,-58.9
+11VA on L4 (PWR) "L4 (PWR)-+11VA 1" (solid, pour order 146): 133.75,-114 149.4,-114 149.4,-34.6 81.2,-34.6 81.2,-35.7 147.6,-35.7 147.6,-101.3 133.75,-101.3
-5VA on L4 (PWR) "L4 (PWR)--5VA" (solid, pour order 144): 81.2,-37.8 144.8,-37.8 144.8,-76.773 135.7,-76.773 135.7,-72.1 142.7,-72.1 142.7,-38.7 81.2,-38.7
+5VA on L4 (PWR) "L4 (PWR)-+5VA" (solid, pour order 143): 81.2,-35.9 147.2,-35.9 147.2,-90.588 130.602,-90.588 130.602,-85.888 145.2,-85.888 145.2,-36.8 81.2,-36.8
+5V_USB_HUB on L4 (PWR) "+5V_USB_HUB_L04_P063" (solid, pour order 63): 117.6,1.1 117.6,-11.1 72.8,-11.1 72.8,-2.4 74.9,-2.4 74.9,-7.8 93.9,-7.8 93.9,1.2 96.1,1.2 96.1,-7.8 115.4,-7.8 115.4,1.1
+3V3_STLINK on L4 (PWR) "+3V3_STLINK_L04_P057" (solid, pour order 57): -39.37,-116.8 -8.8,-116.8 -8.8,-161.29 -39.37,-161.29 -39.37,-147.25 -39.309,-147.25 -39.309,-133.25 -39.37,-133.25
+5V_JOYSTICKS on L4 (PWR) "+5V_JOYSTICKS_L04_P052" (solid, pour order 52): -5,-22.25 -4.5,-22.75 -4,-22.75 -3.75,-23 -3.75,-24 -4,-24.25 -6,-24.25 -6.5,-23.75 -6.5,-8.5 -6.25,-8.25 -5.25,-8.25 -5,-8.5 -5,-9 1.25,-9 1.5,-9.25 1.5,-9.75 1.25,-10 -5,-10 -5,-17.75 1.5,-17.75 1.5,-18.5 -5,-18.5
no net on Top Solder (solid): 133.96,-90.174 133.96,-86.301 139.2,-86.301 139.2,-88.875 139.2,-90.174
no net on Top Solder "NONET_L01_P-001" (solid): 133.749,-114 137.497,-114 137.497,-101.897 133.749,-101.897
no net on Top Solder "NONET_L01_P-001" (solid): 135.686,-76.703 139.099,-76.703 139.077,-76.68 139.077,-72.062 135.686,-72.062
no net on Top Solder "NONET_L01_P-001" (solid): 135.8,-64.2 135.8,-59.2 140.7,-59.2 140.7,-64.2
no net on Top Solder "NONET_L01_P-001" (solid): 79.3,-29.5 79.3,-26.8 71.8,-26.8 71.8,-28.9 72.4,-29.5
no net on Top Solder (solid, pour order 36): -26.132,-139.267 -25.5,-139.267 -25.5,-135.9 -23.9,-135.9 -23.9,-140.5 -25.482,-140.5 -25.815,-140.245 -26.351,-140.245
no net on Top Solder (solid): -36,-146.5 -37,-145.5 -37,-135.5 -36,-134.5 -29.5,-134.5 -28.5,-135.5 -28.5,-145.5 -29.5,-146.5
no net on Top Solder (solid): 52.85,-27.25 52.4,-26.8 52.4,-23.7 52.8,-23.3 56.6,-23.3 56.6,-27.25
no net on Top Solder (solid): 58,-21 57.5,-20.5 57.5,-12.5 58,-12 72,-12 72.5,-12.5 72.5,-20.5 72,-21 69,-21 69,-20 61,-20 61,-21
GND on L5 "NONET_L01_P-001" (solid, pour order 178): -39.37,10.16 -39.37,-161.29 163.83,-161.29 163.83,10.16
GND on L2 "L2-GND-1" (solid, pour order 43): 77.6,-161.29 77.6,-161.3 110.3,-161.3 110.3,-146.9 89.1,-146.9 89.1,-131.1 80.2,-131.1 80.2,-108 59,-108 59,-86 78,-86 78,-45 59,-45 59,-23 132.418,-23 132.418,-30.2 163.83,-30.2 163.83,10.197 58,10.197 58,10.16 -39.37,10.16 -39.37,-161.29 58.255,-161.29
AGND on L2 "L02_AGND_2" (solid, pour order 98): 59,-161.29 59,-23 163.83,-23 163.83,-161.29
-12V on L6 "L1--12V" (solid, pour order 77): 150.388,-58.38 162.894,-58.38 162.894,-40.38 150.388,-40.38
-11VA on L6 "L1--11VA" (solid, pour order 181): 150.357,-75.681 162.902,-75.681 162.902,-59.681 150.357,-59.681 150.357,-64.191
AGND on L6 "AGND_L06_P180" (solid, pour order 180): 150.352,-76.503 150.352,-90.503 162.896,-90.503 162.896,-76.503
AGND on L6 "AGND_349034234" (solid, pour order 179): 150.254,-91.439 150.254,-111.439 162.911,-111.439 162.911,-91.439
+5VA on L6 "NONET_L01_P-001" (solid, pour order 171): 94.4,-132.5 94.4,-134.3 115.3,-134.3 115.3,-113.3 113.2,-113.3 113.2,-132.5
+5VA on L6 "NONET_L01_P-001" (solid, pour order 172): 65.8,-101.1 67.7,-101.1 67.7,-102.7 77.7,-112.7 94.8,-112.7 94.8,-114.3 76.7,-114.3 65.8,-103.4
+5VA on L6 "NONET_L01_P-001" (solid, pour order 170): 87.2,-112.7 87.2,-117.5 89.1,-117.5 89.1,-114.3 138.6,-114.3 138.6,-112.7
+5VA on L6 "NONET_L01_P-001" (solid, pour order 169): 142.3,-123 142.3,-118.8 140.1,-116.6 139.1,-116.6 137.3,-114.8 137.3,-114.2 140.5,-114.2 140.7,-114.4 140.7,-114.9 141.3,-114.9 144.2,-117.8 144.2,-123
+5VA on L6 "NONET_L01_P-001" (solid, pour order 168): 139.5,-125 142.6,-125 142.6,-129.1 153.7,-129.1 153.7,-126.03 153.67,-126 155.4,-126 155.4,-122.5 151.5,-122.5 151.5,-127.6 144.2,-127.6 144.2,-122.7 139.5,-122.7
-5VA on L6 "NONET_L01_P-001" (solid, pour order 167): 142.4,-114.5 142.4,-112.2 162.9,-112.2 162.9,-131.5 140.1,-131.5 140.1,-125.4 142.3,-125.4 142.3,-129.5 154.4,-129.5 154.4,-126.6 159.5,-126.6 159.5,-114.5
+5VA on L6 "NONET_L01_P-001" (solid, pour order 166): 134,-86.3 140.7,-86.3 140.7,-114.5 137.3,-114.5 137.3,-90.2 134,-90.2
-5VA on L6 "NONET_L01_P-001" (solid, pour order 165): 135.7,-72.024 135.7,-76.6 137,-77.9 138.676,-77.9 141.1,-80.324 141.1,-114.524 144.4,-114.524 144.4,-79.324 139.1,-74.024 139.1,-72.024
+12V on L6 "+12V_L06_P064" (solid, pour order 64): 144.8,-32.535 147.417,-29.917 147.417,-19.7 151,-19.7 151,-32.535 149.545,-33.989 149.545,-71.7 128.8,-71.7 128.8,-90.5 124.9,-90.5 124.9,-69.3 144.8,-69.3

## Other copper
L1:
  drawing of 20 lines, arcs and shapes, not listed
L3:
  text "/RESET" at 20.136,-115.709 h1

## Silkscreen, mask and mechanical layers (free items; w line width, h text height)
Top Overlay:
  drawing of 83 lines, arcs and shapes, not listed
  text "XI20230101 R1" at -5.35,7.15 h1
  text "SN" at -27.25,6.75 h3
  text "GND" at 51.377,-21.616 h1
  text "GND" at 66.25,-78.25 h1
  text "Voices 1-2" at 78.1,-87.05 h1.27
  text "Voices 3-4" at 92.65,-87.05 h1.27
  text "Voices 5-6" at 107.15,-87.05 h1.27
  text "Voices 1-4" at 81.825,-105.85 h1.27
  text "Voices 4-8" at 103.969,-105.85 h1.27
  text "GND" at 122.25,-107.85 h1
  text "CV DAC" at 59.4,-109.1 h1.27
  text "GND" at 31.75,-123.25 h1
  text "GND" at 109.703,-133.89 h1
  text "AD/DA Converter" at 90.151,-145.35 h1.27
  text "GND" at -3.95,-149.85 h1
Bottom Overlay:
  lines w0.254: 101.1,-103.8 101.1,-105.1 103.7,-107.7 108.4,-107.7 ; 108.4,-107.7 114.5,-107.7 114.5,-119.2 108.4,-119.2 108.4,-107.7
Top Solder:
  drawing of 24 lines, arcs and shapes, not listed
Mechanical 1:
  lines w0.254: -246.784,-371.475 -246.784,-370.475
Top 3D Body:
  lines w0.254: 163.5,-24.5 164,-24

## Text inside footprints (layer, text, board x,y; h text height)
J5: Mechanical 1 "NOTE: Holes are big and connector" at 49.35,-4.3 h0.5 r90; Mechanical 1 "doesnt fit on one place. Bottom" at 50.55,-4.3 h0.5 r90; Mechanical 1 "plastic may go over the board edge" at 51.75,-4.4 h0.5 r90
J8: Top Overlay "15" at 41.91,1.09 h1.02 r180; Top 3D Body "PCB Edge" at 37.81,10.91 h1.02 r180
J18: Top Overlay "1" at 159.05,-133.94 h1.02
J19: Top Overlay "2" at 4.071,-15.995 h1.02; Top Overlay "1" at -0.734,-16.017 h1.02; Top Overlay "10" at 4.071,-21.098 h1.02; Top Overlay "9" at -1.009,-21.052 h1.02
J20: Top Overlay "2" at 4.14,-7.298 h1.02; Top Overlay "1" at -0.803,-7.344 h1.02; Top Overlay "10" at 4.048,-12.539 h1.02; Top Overlay "9" at -1.032,-12.493 h1.02
J21: Top Overlay "ICSP" at 53.6,-156.6 h1.2 r90
J24: Top Overlay "ICSP" at -17,-159.95 h1.52
J27: Top Overlay "ICSP" at -15.7,-21.1 h1.52
J39: Top Overlay "1" at 130.9,-30.4 h1.02
J40: Top Overlay "1" at 62.7,-113.6 h1.02
U26: Top Overlay "*" at 45.254,-147.408 h1.27 r90; Mechanical 13 "*" at 45.635,-145.033 h1.27 r90